# Altium PCB ALCT_MEZ_SPARTAN6T.PcbDoc (part 12 of 12)
Units mil, origin at the board's own origin, x right, y up, seen from the top; angles counter-clockwise.
Board outline 4100 x 5351.19 mil, 12 copper layers (Top Layer, Mid-Layer 1, +3V3, Mid-Layer 2, +1V2, Mid-Layer 4, +1V8, Mid-Layer 5, GND1, Mid-Layer 7, GND2, Bottom Layer), stack 64.7 mil thick; 320 components, 598 nets, 2316 pads, 1572 vias.
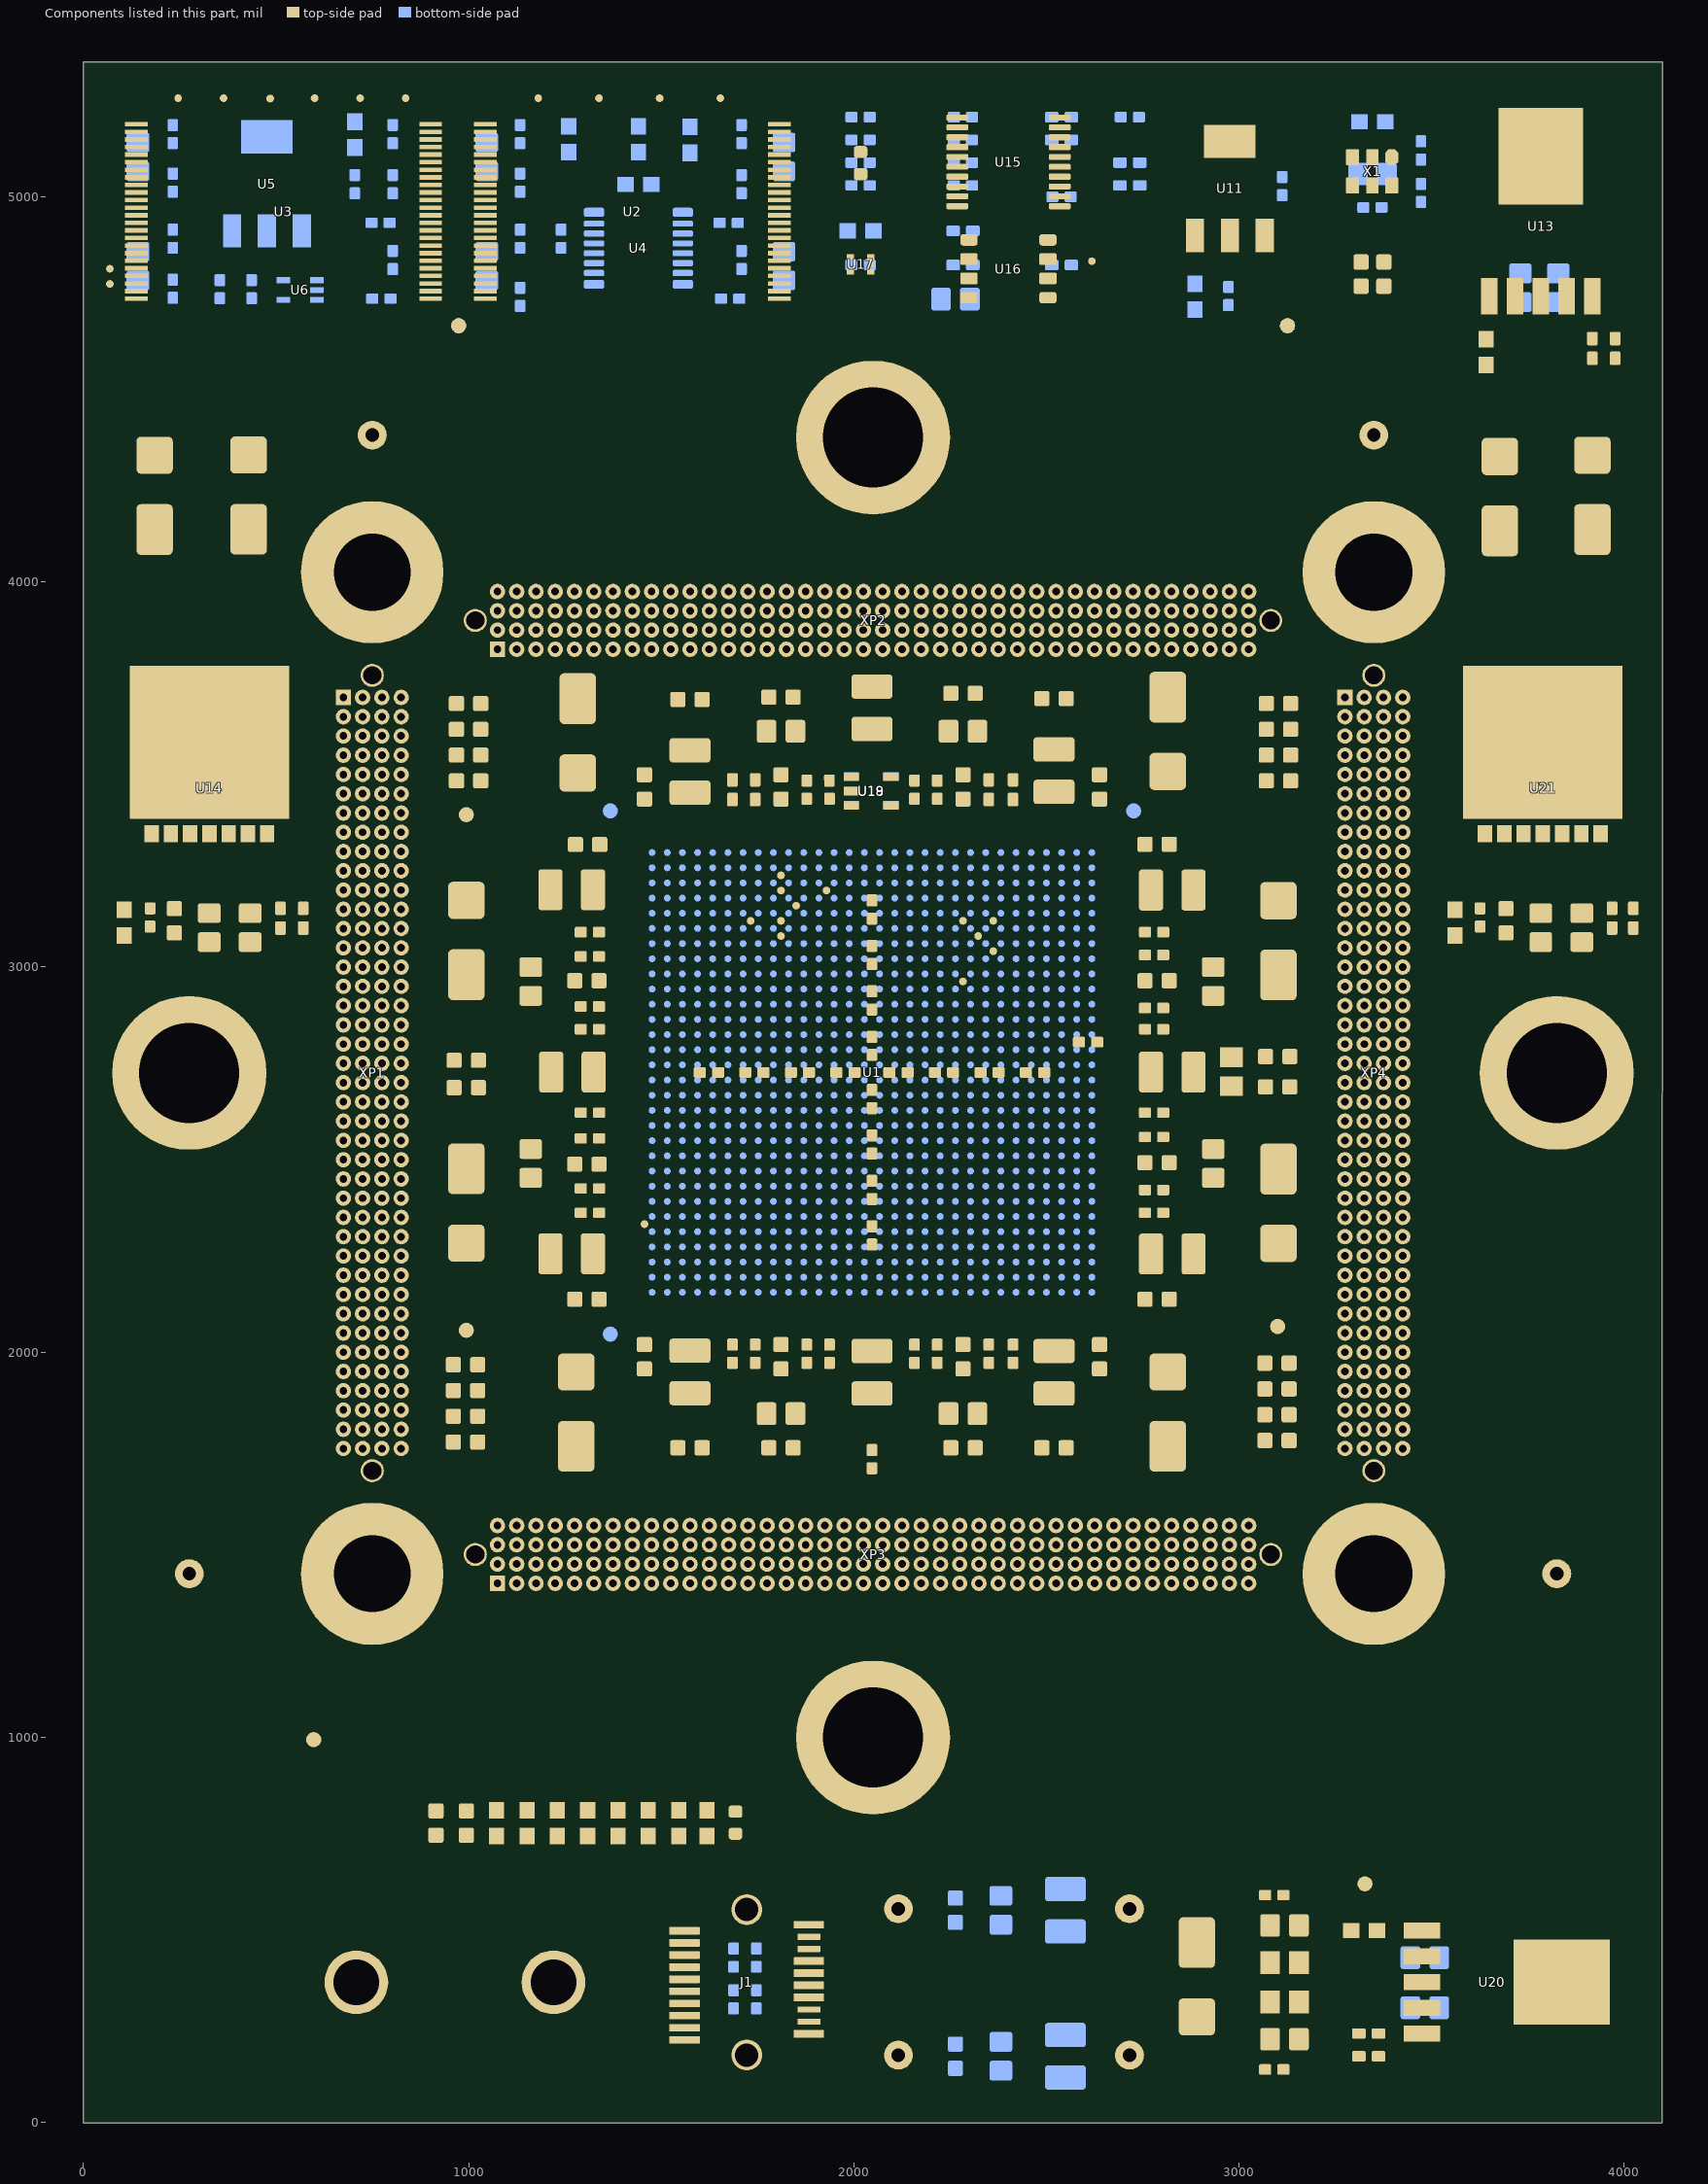
[diagram p22: the components of this part, seen from the top]

## Other copper
Top Layer:
  rectangle net GND: 1505.91,866.14 1584.65,895.67
  rectangle net NetD2_A: 1594.49,866.14 1712.6,895.67
  rectangle net +V_SFP: 3001.97,298.03 3045.28,439.76
  rectangle net GND: 3764.88,4782.17 3799.88,4980.32
  rectangle net +1.2V_MGT: 2657.48,2480.32 2696.85,3257.87
  rectangle net +1.8V: 3799.21,4527.56 3877.95,4663.39
  rectangle net +3.3V: 3681.1,4527.56 3769.69,4665.35
  rectangle net +3.3V: 3257.87,368.9 3395.67,457.48
  rectangle net +2.5V_SFP: 3257.87,265.75 3395.67,354.33
  rectangle net GND: 3513.78,344.49 3710.63,383.86
  rectangle net sfp_vcct2: 1786.42,344.49 1835.63,364.17
  rectangle net sfp_vcct: 1786.42,378.94 1835.63,398.62
  rectangle net GND: 1786.42,314.96 1835.63,334.65
  rectangle net GND: 1786.42,413.39 1835.63,433.07
  rectangle net +1.5V: 895.67,866.14 1496.06,895.67
  rectangle net +1.2V_MGT: 2539.37,2706.69 2677.17,2746.06
  rectangle net +1.2V_MGT: 2539.37,2559.06 2578.74,2746.06
  rectangle net +1.2V_MGT: 2539.38,2549.21 2578.74,2559.06
  rectangle net GND: 2971.65,5059.45 2983.07,5213.39
  rectangle net GND: 2882.68,5139.37 3088.19,5149.61
  rectangle net +VCORE: 3720.47,3188.98 3809.06,3307.09
  rectangle net +3.3V: 3612.2,3188.98 3710.63,3307.09
  rectangle net +VCORE: 255.91,3188.98 344.49,3307.09
  pour cut-out: 29.53,826.77 609.35,826.77 629.92,826.77 629.92,728.35 29.53,728.35
  pour cut-out: 1043.28,1712.6 1043.29,1368.11 3061.02,1368.11 3061.03,1712.6 3457.25,1712.6 3457.25,3730.31 3061.02,3730.31 3061.03,4005.91 1043.28,4005.9 1043.28,3730.32 846.43,3730.32 644.72,3730.31 644.72,1712.59
  pour cut-out: 1909.45,231.5 1972.05,231.5 1972.05,324.8 1909.45,324.8
  pour cut-out: 1909.45,420.47 1972.05,420.47 1972.05,514.96 1909.45,514.96
  pour cut-out: 866.14,915.35 866.14,659.45 1732.28,659.45 1732.28,915.35
  pour cut-out: 3281.5,148.43 3281.5,254.72 3391.73,254.72 3391.73,148.43
  pour cut-out: 3040.34,114.17 3142.7,114.17 3142.7,170.26 3149.61,177.17 3198.82,177.17 3198.82,553.15 3190.94,561.02 3148.61,561.02 3142.7,566.93 3142.7,614.17 3040.34,614.17
  pour cut-out: 915.35,5206.69 915.35,4714.57 1044.09,4714.57 1045.27,4715.75 1043.31,4717.72 1043.31,5206.69
  pour cut-out: -9657.15,-7979.82 -9656.3,-7980.38 -9655.73,-7981.23 -9655.54,-7982.23 -9655.54,-8127.9 -9655.73,-8128.9 -9656.3,-8129.74 -9657.15,-8130.31 -9658.14,-8130.51 -9705.39,-8130.51 -9706.39,-8130.31 -9707.23,-8129.74 -9707.8,-8128.9 -9708,-8127.9 -9708,-7986.16 -9708,-7982.23 -9707.8,-7981.23 -9707.23,-7980.38 -9706.39,-7979.82 -9705.39,-7979.62 -9658.14,-7979.62
  pour cut-out: -10146.58,-8950.97 -10146.51,-8951.13 -10146.51,-8960.18 -10146.58,-8960.33 -10146.73,-8960.39 -10155,-8960.39 -10155.15,-8960.33 -10155.21,-8960.18 -10155.21,-8951.13 -10155.15,-8950.97 -10155,-8950.91 -10146.73,-8950.91
  pour cut-out: -12353.27,-11194.68 -12353.21,-11194.83 -12353.21,-11203.88 -12353.27,-11204.03 -12353.42,-11204.09 -12361.69,-11204.09 -12361.84,-11204.03 -12361.9,-11203.88 -12361.9,-11194.83 -12361.84,-11194.68 -12361.69,-11194.61 -12353.42,-11194.61
  pour cut-out: -12352.88,-8769.08 -12352.81,-8769.24 -12352.81,-8778.29 -12352.88,-8778.44 -12353.03,-8778.5 -12361.29,-8778.5 -12361.45,-8778.44 -12361.51,-8778.29 -12361.51,-8769.24 -12361.45,-8769.08 -12361.29,-8769.02 -12353.03,-8769.02
  pour cut-out: -12746.58,-8951.37 -12746.51,-8951.52 -12746.51,-8960.57 -12746.58,-8960.72 -12746.73,-8960.79 -12755,-8960.79 -12755.15,-8960.72 -12755.21,-8960.57 -12755.21,-8951.52 -12755.15,-8951.37 -12755,-8951.31 -12746.73,-8951.31
  pour cut-out: -10780.04,-9273.42 -10779.98,-9273.57 -10779.98,-10533.41 -10780.04,-10533.56 -10780.19,-10533.62 -12040.03,-10533.62 -12040.19,-10533.56 -12040.25,-10533.41 -12040.25,-9273.57 -12040.19,-9273.42 -12040.03,-9273.35 -10780.19,-9273.35
  pour cut-out: -12424.86,-11853.83 -12424.02,-11854.4 -12423.45,-11855.24 -12423.25,-11856.24 -12423.25,-11911.36 -12423.45,-11912.36 -12424.02,-11913.21 -12424.86,-11913.77 -12425.86,-11913.97 -12992.79,-11913.97 -12993.79,-11913.77 -12994.64,-11913.21 -12995.2,-11912.36 -12995.4,-11911.36 -12995.4,-11907.42 -12995.4,-11856.24 -12995.2,-11855.24 -12994.64,-11854.4 -12993.79,-11853.83 -12992.79,-11853.63 -12425.86,-11853.63
  pour cut-out: 3262.99,4996.79 3262.99,4675.2 3435.13,4675.2 3433.07,5120.08 3416.54,5136.81 3263.78,5137.8 3261.81,5135.83
  pour cut-out: 3529.53,3048.24 3592.52,3048.24 3592.52,3077.58 3649.61,3077.58 3649.61,3062.99 3655.45,3057.15 3740.16,3057.15 3740.16,3023.62 3826.77,3023.62 3933.07,3023.62 3933.07,3071.36 3933.58,3071.87 4047.24,3071.87 4047.24,3182.1 3529.53,3182.1
  pour cut-out: 594.49,3182.1 594.49,3071.87 476.38,3071.87 476.38,3023.62 283.46,3023.62 283.46,3057.15 204.72,3057.15 204.72,3077.47 204.42,3077.77 137.98,3077.77 137.98,3048.43 137.8,3048.24 74.8,3048.24 74.8,3182.1
  pour cut-out: 4000,4661.42 4000,4551.18 3893.7,4551.18 3893.7,4524.82 3886.59,4517.72 3685.44,4517.72 3673.62,4529.53 3610.24,4529.53 3610.24,4663.39 3998.03,4663.39
  pour cut-out: 3614.17,4679.02 3956.69,4679.01 3956.69,4663.39 3948.82,4663.39 3614.17,4663.39
  pour cut-out: 3391.06,187.4 3391.06,529.92 3406.69,529.92 3406.69,522.05 3406.69,187.4
  text "1" at 4526.1,4609.21 h60
  text "TOP" at 4726.1,4609.21 h60
  text "COMPONENTS" at 5761.54,4609.21 h60
  text "1" at 49.21,757.87 h40
Mid-Layer 1:
  pour cut-out: 29.53,826.77 629.92,826.77 629.92,728.35 29.53,728.35
  pour cut-out: 1840.55,334.65 1840.55,226.38 1998.03,226.38 1998.03,334.65
  pour cut-out: 1840.55,521.65 1840.55,413.39 1998.03,413.39 1998.03,521.65
  pour cut-out: 3287.4,4857.28 3287.4,4744.09 3405.51,4744.09 3405.51,4857.28
  pour cut-out: 3267.72,5127.95 3267.72,5000 3420.28,5000 3420.28,5127.95
  text "VTTOP" at 1574.8,4517.72 h30
  text "2" at 4526.1,4509.28 h60
  text "IN1" at 4726.1,4509.28 h60
  text "ROUTING" at 5761.54,4509.28 h60
  text "VTBOT" at 1673.23,4173.23 h30
  text "GND" at 49.21,866.14 h60
  text "2" at 78.74,757.87 h40
Mid-Layer 2:
  rectangle net +1.8V: 3802.56,4517.72 3877.95,4714.57
  pour cut-out: 1038.37,1712.6 1038.38,1368.11 3056.09,1368.11 3056.09,1722.44 3454.72,1722.44 3454.72,3730.32 3056.11,3730.32 3056.12,4005.91 1038.37,4005.9 1038.37,3730.32 841.52,3730.32 649.61,3730.31 649.61,1712.6
  pour cut-out: 29.53,826.77 629.92,826.77 629.92,728.35 29.53,728.35
  pour cut-out: -10205.24,-8828.53 -10205.18,-8828.68 -10205.18,-11057.03 -10205.24,-11057.18 -10205.39,-11057.24 -12610.9,-11057.24 -12611.05,-11057.18 -12611.11,-11057.03 -12611.11,-8934.98 -12611.11,-8828.68 -12611.05,-8828.53 -12610.9,-8828.47 -10205.39,-8828.47
  pour cut-out: -12424.86,-11853.83 -12424.02,-11854.4 -12423.45,-11855.24 -12423.25,-11856.24 -12423.25,-11911.36 -12423.45,-11912.36 -12424.02,-11913.21 -12424.86,-11913.77 -12425.86,-11913.97 -12992.79,-11913.97 -12993.79,-11913.77 -12994.64,-11913.21 -12995.2,-11912.36 -12995.4,-11911.36 -12995.4,-11907.42 -12995.4,-11856.24 -12995.2,-11855.24 -12994.64,-11854.4 -12993.79,-11853.83 -12992.79,-11853.63 -12425.86,-11853.63
  pour cut-out: 1893.31,413.39 1893.31,216.54 2021.26,216.54 2021.26,413.39
  pour cut-out: 1893.31,541.34 1893.31,403.54 2021.26,403.54 2021.26,541.34
  text "+1.8V" at 2976.38,4671.26 h26.57
  text "4" at 4526.1,4309.43 h60
  text "IN2" at 4726.1,4309.43 h60
  text "ROUTING & +1.8V PROM" at 5761.54,4309.43 h60
  text "GND" at 49.21,866.14 h60
  text "4" at 177.17,757.87 h40
+1V2:
  pour cut-out: 29.53,826.77 609.35,826.77 629.92,826.77 629.92,728.35 29.53,728.35
  pour cut-out: 2460.63,2667.32 2462.09,2667.32 2500,2667.32 2500,2628.99 2498.96,2628.99 2460.63,2628.99
  text "5" at 4526.1,4209.5 h56.25
  text "PWR" at 4726.1,4209.5 h56.25
  text "+1.2VINT" at 5761.54,4209.5 h56.25
  text "+VCCINT" at 3897.64,1751.97 h26.57
  text "1V2" at 49.21,866.14 h60
  text "5" at 226.38,757.87 h40
Mid-Layer 4:
  pour cut-out: 29.53,826.77 609.35,826.77 629.92,826.77 629.92,728.35 29.53,728.35
  text "6" at 4533.98,4109.57 h60
  text "IN4" at 4733.98,4109.57 h60
  text "ROUTING" at 5769.41,4109.57 h60
  text "+VMGT" at 2785.43,3120.08 h26.57
  text "GND" at 49.21,866.14 h60
  text "6" at 275.59,757.87 h40
Mid-Layer 5:
  pour cut-out: 29.53,826.77 609.35,826.77 629.92,826.77 629.92,728.35 29.53,728.35
  text "8" at 4526.1,3909.71 h60
  text "IN5" at 4726.1,3909.71 h60
  text "ROUTING" at 5761.54,3909.71 h60
  text "GND" at 49.21,866.14 h60
  text "8" at 383.86,757.87 h40
+3V3:
  pour cut-out: 29.53,826.77 629.92,826.77 629.92,728.35 29.53,728.35
  text "3" at 4526.1,4409.35 h56.25
  text "PWR" at 4726.1,4409.35 h56.25
  text "+3.3V" at 5761.54,4409.35 h56.25
  text "3V3" at 49.21,866.14 h60
  text "3" at 128.74,757.87 h40
Mid-Layer 7:
  pour cut-out: 29.53,826.77 609.35,826.77 629.92,826.77 629.92,728.35 29.53,728.35
  text "2V5 SFP" at 2706.69,5275.59 h30
  text "1V2 MGT" at 2765.75,4950.79 h30
  text "10" at 4526.1,3709.86 h60
  text "IN7" at 4726.1,3709.86 h60
  text "ROUTING / MGT" at 5761.54,3709.86 h60
  text "A" at 482.28,757.87 h40
+1V8:
  pour cut-out: 29.53,826.77 609.35,826.77 629.92,826.77 629.92,728.35 29.53,728.35
  text "7" at 4530.04,4009.64 h56.25
  text "PWR" at 4730.04,4009.64 h56.25
  text "+1.8V VCORE" at 5765.47,4009.64 h56.25
  text "VCORE" at 49.21,866.14 h60
  text "7" at 334.65,757.87 h40
GND1:
  pour cut-out: 29.53,826.77 609.35,826.77 629.92,826.77 629.92,728.35 29.53,728.35
  text "9" at 4526.1,3809.78 h56.25
  text "GND" at 4726.1,3809.78 h56.25
  text "GND" at 5761.54,3809.78 h56.25
  text "9" at 433.07,757.87 h40
GND2:
  pour cut-out: 29.53,826.77 609.35,826.77 629.92,826.77 629.92,728.35 29.53,728.35
  text "11" at 4526.1,3609.93 h60
  text "GND" at 4726.1,3609.93 h60
  text "GND" at 5761.54,3609.93 h60
  text "B" at 531.5,757.87 h40
Bottom Layer:
  rectangle net +3.3V: 3691.8,4531.38 3769.69,4657.08
  rectangle net +1.8V: 3799.21,4531.38 3881.23,4657.08
  rectangle net +3.3V: 3267.72,374.02 3395.67,452.76
  rectangle net +2.5V_SFP: 3267.72,279.41 3391.85,354.33
  rectangle net sfp_vcct2: 1786.42,344.49 1835.63,364.17
  rectangle net sfp_vcct: 1786.42,378.94 1835.63,398.62
  rectangle net GND: 1786.42,413.39 1835.63,433.07
  rectangle net GND: 1786.42,314.96 1835.63,334.65
  rectangle net GND: 470.87,5089.37 481.5,5222.05
  rectangle net GND: 388.19,5144.88 563.78,5157.87
  pour cut-out: 3543.31,413.39 3543.31,324.8 3385.83,324.8 3385.83,413.39
  pour cut-out: 3720.47,4842.52 3720.47,4657.08 3838.58,4657.08 3838.58,4842.52
  pour cut-out: 29.53,826.77 609.35,826.77 629.92,826.77 629.92,728.35 29.53,728.35
  pour cut-out: 1053.15,1722.44 1053.15,1368.11 3070.87,1368.11 3070.87,1722.44 3467.12,1722.44 3467.12,3730.31 3070.89,3730.31 3070.89,4005.9 1053.15,4005.9 1053.15,3730.31 856.3,3730.32 654.58,3730.31 654.58,1722.44
  pour cut-out: -10205.24,-8828.53 -10205.18,-8828.68 -10205.18,-11057.03 -10205.24,-11057.18 -10205.39,-11057.24 -12610.9,-11057.24 -12611.05,-11057.18 -12611.11,-11057.03 -12611.11,-8934.98 -12611.11,-8828.68 -12611.05,-8828.53 -12610.9,-8828.47 -10205.39,-8828.47
  pour cut-out: -12424.86,-11853.83 -12424.02,-11854.4 -12423.45,-11855.24 -12423.25,-11856.24 -12423.25,-11911.36 -12423.45,-11912.36 -12424.02,-11913.21 -12424.86,-11913.77 -12425.86,-11913.97 -12992.79,-11913.97 -12993.79,-11913.77 -12994.64,-11913.21 -12995.2,-11912.36 -12995.4,-11911.36 -12995.4,-11907.42 -12995.4,-11856.24 -12995.2,-11855.24 -12994.64,-11854.4 -12993.79,-11853.83 -12992.79,-11853.63 -12425.86,-11853.63
  text "12" at 4526.1,3510 h60
  text "BOT" at 4726.1,3510 h60
  text "ROUTING / COMPONENTS" at 5761.54,3510 h60
  text "C" at 580.71,757.87 h40

## Silkscreen, mask and mechanical layers (free items; w line width, h text height)
Top Overlay:
  rectangle: 3208.66,714.57 4035.43,964.57
  text "3V3" at 216.54,5291.34 h23.62
  text "CORE" at 318.9,5291.34 h23.62
  text "2V5" at 452.76,5291.34 h23.62
  text "1V8" at 570.87,5291.34 h23.62
  text "1V2" at 688.98,5291.34 h23.62
  text "1V2O" at 799.21,5291.34 h23.62
  text "/PROG" at 1118.11,5291.34 h23.62
  text "/CCLK" at 1279.53,5291.34 h23.62
  text "INITB" at 1444.88,5291.34 h23.62
  text "DONE" at 1610.24,5291.34 h23.62
  text "DONE" at 1948.82,4960.63 h40
  text "SILK TOP" at 4527.56,2969.16 h60
  text "UCLA S6 / 06/25/2017" at 3208.66,964.57 h59.06
  text "LX150T / v1" at 3454.72,964.57 h59.06
Bottom Overlay:
  lines w5: 1604.33,4980.32 1604.33,4970.47 1614.17,4960.63
  lines w7.87: 1604.33,4980.32 1604.33,4970.47 1614.17,4960.63 ; 68.9,4271.65 68.9,4419.29 177.17,4419.29 177.17,4271.65 68.9,4271.65 ; 147.64,3179.13 452.76,3179.13 452.76,3316.93 147.64,3316.93 147.64,3179.13 ; 442.91,4271.65 442.91,4419.29 551.18,4419.29 551.18,4271.65 442.91,4271.65 ; 3553.15,4271.65 3553.15,4419.29 3661.42,4419.29 3661.42,4271.65 3553.15,4271.65 ; 3602.36,3179.13 3602.36,3316.93 3907.48,3316.93 3907.48,3179.13 3602.36,3179.13 ; 3661.42,4498.03 3661.42,4628.23 3907.48,4628.23 3907.48,4498.03 3661.42,4498.03 ; 3937.01,4271.65 4045.28,4271.65 4045.28,4419.29 3937.01,4419.29 3937.01,4271.65
  lines w10: 9.84,700 4084.65,700 ; 26.97,4628.23 4066.97,4628.23 ; 550,1623.82 950,1623.82 950,1273.82 3150,1273.82 3150,1623.82 3550,1623.82 3550,3823.82 3150,3823.82 3150,4098.82 950,4098.82 950,3823.82 550,3823.82 550,1623.82
  text "SILK BOTTOM" at 4527.56,2859.8 h60
Top Paste:
  text "PASTE TOP" at 4527.56,2750.44 h60
Bottom Paste:
  text "PASTE BOTTOM" at 4527.56,2641.08 h60
Top Solder:
  text "MASK TOP" at 4527.56,2531.71 h60
Bottom Solder:
  text "MASK BOTTOM" at 4527.56,2422.35 h60
Assembly Top:
  text "ASSEMBLY TOP" at 4527.56,3297.24 h60
Assembly Bottom:
  text "ASSEMBLY BOTTOM" at 4527.56,3187.88 h60
Board Outline:
  lines w7.87: 0,0 4100,0 4100,5350 0,5350 0,0
Drill Drawing:
  circle w10: c4617.91,1511.88 r33.33
  lines w10: 0,518.82 0,678.82 ; 4100,518.82 4100,678.82 ; 0,0 0,5350 4100,5350 4100,0 0,0 ; 4584.58,611.88 4617.91,578.54 4651.24,611.88 4617.91,645.21 4584.58,611.88 ; 4584.58,795.21 4651.24,795.21 4617.91,728.54 4584.58,795.21 ; 4584.58,878.54 4651.24,878.54 4651.24,945.21 4584.58,945.21 4584.58,878.54 ; 4584.58,1045.21 4601.24,1045.21 4601.24,1028.54 4634.58,1028.54 4634.58,1045.21 4651.24,1045.21 4651.24,1078.54 4634.58,1078.54 4634.58,1095.21 4601.24,1095.21 4601.24,1078.54 4584.58,1078.54 4584.58,1045.21 ; 4584.58,1178.54 4617.91,1195.21 4651.24,1178.54 4634.58,1211.88 4651.24,1245.21 4617.91,1228.54 4584.58,1245.21 4601.24,1211.88 4584.58,1178.54 ; 4584.58,1328.54 4651.24,1328.54 4651.24,1395.21 4584.58,1395.21 4584.58,1328.54 ; 4584.58,1628.54 4584.58,1645.21 4601.24,1661.88 4584.58,1678.54 4584.58,1695.21 4601.24,1695.21 4617.91,1678.54 4634.58,1695.21 4651.24,1695.21 4651.24,1678.54 4634.58,1661.88 4651.24,1645.21 4651.24,1628.54 4634.58,1628.54 4617.91,1645.21 4601.24,1628.54 4584.58,1628.54 ; 4584.58,1795.21 4601.24,1795.21 4617.91,1778.54 4634.58,1795.21 4651.24,1795.21 4634.58,1811.88 4651.24,1828.54 4634.58,1828.54 4617.91,1845.21 4601.24,1828.54 4584.58,1828.54 4601.24,1811.88 4584.58,1795.21 ; 4597.91,1341.88 4637.91,1341.88 4637.91,1381.88 4597.91,1381.88 4597.91,1341.88
  lines w15: 4524.79,533.54 10605.15,533.54 ; 4524.79,1883.54 10605.15,1883.54 ; 5075.66,383.54 5075.66,2033.54 ; 5735.48,383.54 5735.48,2033.54 ; 6895.14,383.54 6895.14,2033.54 ; 7401.02,383.54 7401.02,2033.54 ; 8134.82,383.54 8134.82,2033.54 ; 8724.67,383.54 8724.67,2033.54 ; 9470.47,383.54 9470.47,2033.54 ; 4524.79,383.54 10605.15,383.54 10605.15,2033.54 4524.79,2033.54 4524.79,383.54
  text "UCLA Physics MC_S6 LX150T" at 4525.94,5017.36 h75
  text "06/25/2017" at 4525.94,4867.36 h56.25
  text "Rev 1" at 5175.94,4867.36 h56.25
  text "Layer Stack-up" at 4527.56,4749.02 h56.25
  text "DRILL DRAWING" at 4527.56,2312.99 h60
  text "Symbol" at 4614.79,1928.54 h72
  text "Count" at 5120.66,1928.54 h72
  text "Hole Size" at 5780.48,1928.54 h72
  text "Plated" at 6940.14,1928.54 h72
  text "Hole Type" at 7446.02,1928.54 h72
  text "Via/Pad" at 8179.82,1928.54 h72
  text "Pad Shape" at 8769.67,1928.54 h72
  text "Template" at 9515.47,1928.54 h72
  text "2" at 5120.66,1778.54 h60
  text "1.550mm (61.02mil)" at 5780.48,1778.54 h60
  text "PTH" at 6940.14,1778.54 h60
  text "Round" at 7446.02,1778.54 h60
  text "Pad" at 8179.82,1778.54 h60
  text "Rounded" at 8769.67,1778.54 h60
  text "c203h155" at 9515.47,1778.54 h60
  text "SFP Socket Posts" at 10659.45,1776.57 h60
  text "2" at 5120.66,1628.54 h60
  text "3.000mm (118.11mil)" at 5780.48,1628.54 h60
  text "PTH" at 6940.14,1628.54 h60
  text "Round" at 7446.02,1628.54 h60
  text "Pad" at 8179.82,1628.54 h60
  text "Rounded" at 8769.67,1628.54 h60
  text "c420h300" at 9515.47,1628.54 h60
  text "VTTX Screw Holes" at 10659.45,1624.63 h60
  text "4" at 5120.66,1478.54 h60
  text "0.889mm (35.00mil)" at 5780.48,1478.54 h60
  text "PTH" at 6940.14,1478.54 h60
  text "Round" at 7446.02,1478.54 h60
  text "Pad" at 8179.82,1478.54 h60
  text "Rounded" at 8769.67,1478.54 h60
  text "c190h89(1)" at 9515.47,1478.54 h60
  text "Thru-Hole Inductor" at 10659.45,1472.69 h60
  text "4" at 5120.66,1328.54 h60
  text "0.889mm (35.00mil)" at 5780.48,1328.54 h60
  text "PTH" at 6940.14,1328.54 h60
  text "Round" at 7446.02,1328.54 h60
  text "Pad" at 8179.82,1328.54 h60
  text "Rounded" at 8769.67,1328.54 h60
  text "c190h89" at 9515.47,1328.54 h60
  text "TP GROUND" at 10659.45,1320.74 h60
  text "4" at 5120.66,1178.54 h60
  text "5.080mm (200.00mil)" at 5780.48,1178.54 h60
  text "PTH" at 6940.14,1178.54 h60
  text "Round" at 7446.02,1178.54 h60
  text "Pad" at 8179.82,1178.54 h60
  text "Rounded" at 8769.67,1178.54 h60
  text "c940h508z711x711" at 9515.47,1178.54 h60
  text "Stiffener Plate" at 10659.45,1168.8 h60
  text "4" at 5120.66,1028.54 h60
  text "6.604mm (260.00mil)" at 5780.48,1028.54 h60
  text "PTH" at 6940.14,1028.54 h60
  text "Round" at 7446.02,1028.54 h60
  text "Pad" at 8179.82,1028.54 h60
  text "Rounded" at 8769.67,1028.54 h60
  text "c1016h660z864x864" at 9515.47,1028.54 h60
  text "Baseboard Mounts" at 10659.45,1016.86 h60
  text "8" at 5120.66,878.54 h60
  text "1.194mm (47.00mil)" at 5780.48,878.54 h60
  text "PTH" at 6940.14,878.54 h60
  text "Round" at 7446.02,878.54 h60
  text "Pad" at 8179.82,878.54 h60
  text "Rounded" at 8769.67,878.54 h60
  text "c152h119" at 9515.47,878.54 h60
  text "Samtec Guide Posts" at 10659.45,864.91 h60
  text "650" at 5120.66,728.54 h60
  text "0.508mm (20.00mil)" at 5780.48,728.54 h60
  text "PTH" at 6940.14,728.54 h60
  text "Round" at 7446.02,728.54 h60
  text "(Mixed)" at 8179.82,728.54 h60
  text "(Mixed)" at 8769.67,728.54 h60
  text "(Mixed)" at 9515.47,728.54 h60
  text "Samtec Pins" at 10659.45,712.97 h60
  text "1562" at 5120.66,578.54 h60
  text "0.203mm (8.00mil)" at 5780.48,578.54 h60
  text "PTH" at 6940.14,578.54 h60
  text "Round" at 7446.02,578.54 h60
  text "Via" at 8179.82,578.54 h60
  text "Rounded" at 8769.67,578.54 h60
  text "v51h20m0mx0" at 9515.47,578.54 h60
  text "Standard Via" at 10659.45,561.02 h60
  text "2240 Total" at 5120.66,428.54 h60
  text "Board dimensions in mils" at 378.94,-369.09 h56.25

## Dimensions
0,-25 to 4100,-25 on Drill Drawing
-25,5350 to -25,0 on Drill Drawing
900,4025 to 750,3750 on Board Outline

## Text inside footprints (layer, text, board x,y; h text height)
CT01: Top Overlay "+" at 3681.1,4463.39 h37.5 r270; Assembly Top "+" at 3661.42,4416.14 h37.5 r270
CT02: Top Overlay "+" at 3921.26,4466.54 h37.5 r270; Assembly Top "+" at 3901.57,4419.29 h37.5 r270
CT03: Top Overlay "+" at 990.16,2145.67 h37.5 r90; Assembly Top "+" at 1009.84,2192.91 h37.5 r90
CT04: Top Overlay "+" at 2811.02,3370.08 h37.5 r90; Assembly Top "+" at 2830.71,3417.32 h37.5 r90
CT05: Top Overlay "+" at 998.03,3311.02 h37.5 r270; Assembly Top "+" at 978.35,3263.78 h37.5 r270
CT06: Top Overlay "+" at 3098.43,2144.88 h37.5 r90; Assembly Top "+" at 3118.11,2192.13 h37.5 r90
CT07: Top Overlay "+" at 2886.54,136.65 h37.5 r90; Assembly Top "+" at 2906.22,183.9 h37.5 r90
CT11: Top Overlay "+" at 188.98,4466.54 h37.5 r270; Assembly Top "+" at 169.29,4419.29 h37.5 r270
CT12: Top Overlay "+" at 433.07,4467.32 h37.5 r270; Assembly Top "+" at 413.39,4420.08 h37.5 r270
CT13: Top Overlay "+" at 2818.9,2086.61 h37.5 r270; Assembly Top "+" at 2799.21,2039.37 h37.5 r270
CT14: Top Overlay "+" at 1279.53,3366.14 h37.5 r90; Assembly Top "+" at 1299.21,3413.39 h37.5 r90
CT15: Top Overlay "+" at 1283.46,2086.61 h37.5 r270; Assembly Top "+" at 1263.78,2039.37 h37.5 r270
CT16: Top Overlay "+" at 3106.3,3310.24 h37.5 r270; Assembly Top "+" at 3086.61,3262.99 h37.5 r270
D1: Assembly Top "K" at 1997.72,5188.58 h37.5 r270; Assembly Top "A" at 1997.72,5013.58 h37.5 r270
D2: Assembly Top "A" at 1712.91,852.56 h37.5 r90; Assembly Top "K" at 1712.91,677.56 h37.5 r90
U1: Top Overlay "1" at 2665.35,2147.64 h21.65 r180; Top Overlay "2" at 2670.7,2183.07 h21.65 r180; Top Overlay "3" at 2670.7,2222.44 h21.65 r180; Top Overlay "7" at 2670.7,2379.92 h21.65 r180; Top Overlay "6" at 2669.66,2340.55 h21.65 r180; Top Overlay "5" at 2670.7,2301.18 h21.65 r180; Top Overlay "4" at 2671.73,2261.81 h21.65 r180; Top Overlay "10" at 2686.57,2498.03 h21.65 r180; Top Overlay "11" at 2677.29,2537.4 h21.65 r180; Top Overlay "12" at 2686.57,2576.77 h21.65 r180; Top Overlay "13" at 2686.57,2616.14 h21.65 r180; Top Overlay "9" at 2669.66,2458.66 h21.65 r180; Top Overlay "8" at 2670.7,2419.29 h21.65 r180; Top Overlay "15" at 2686.57,2694.88 h21.65 r180; Top Overlay "16" at 2685.54,2777.56 h21.65 r180; Top Overlay "17" at 2686.57,2816.65 h21.65 r180; Top Overlay "14" at 2687.6,2655.51 h21.65 r180; Top Overlay "21" at 2680.7,2973 h21.65 r180; Top Overlay "22" at 2689.97,3012.09 h21.65 r180; Top Overlay "23" at 2689.97,3051.18 h21.65 r180; Top Overlay "24" at 2691,3090.27 h21.65 r180; Top Overlay "20" at 2689.97,2933.91 h21.65 r180; Top Overlay "19" at 2685.54,2894.83 h21.65 r180; Top Overlay "18" at 2686.57,2855.74 h21.65 r180; Top Overlay "25" at 2689.97,3129.36 h21.65 r180; Top Overlay "30" at 2689.97,3324.8 h21.65 r180; Top Overlay "29" at 2688.94,3285.71 h21.65 r180; Top Overlay "28" at 2689.97,3246.62 h21.65 r180; Top Overlay "27" at 2689.97,3207.54 h21.65 r180; Top Overlay "26" at 2688.94,3168.45 h21.65 r180; Top Overlay "AF" at 1602.36,2116.14 h21.65 r270; Top Overlay "AG" at 1562.99,2116.14 h21.65 r270; Top Overlay "AH" at 1523.62,2116.14 h21.65 r270; Top Overlay "AJ" at 1484.25,2116.14 h21.65 r270; Top Overlay "AK" at 1444.88,2116.14 h21.65 r270; Top Overlay "AE" at 1641.73,2116.14 h21.65 r270; Top Overlay "V" at 1917.32,2116.14 h21.65 r270; Top Overlay "W" at 1877.95,2116.14 h21.65 r270; Top Overlay "Y" at 1838.58,2116.14 h21.65 r270; Top Overlay "AD" at 1681.1,2116.14 h21.65 r270; Top Overlay "AC" at 1720.47,2116.14 h21.65 r270; Top Overlay "AB" at 1759.84,2116.14 h21.65 r270; Top Overlay "AA" at 1799.21,2116.14 h21.65 r270; Top Overlay "P" at 2114.17,2116.14 h21.65 r270; Top Overlay "U" at 1956.69,2116.14 h21.65 r270; Top Overlay "T" at 1996.06,2116.14 h21.65 r270; Top Overlay "R" at 2074.8,2116.14 h21.65 r270; Top Overlay "H" at 2350.39,2116.14 h21.65 r270; Top Overlay "J" at 2311.02,2116.14 h21.65 r270; Top Overlay "N" at 2153.54,2116.14 h21.65 r270; Top Overlay "M" at 2192.91,2116.14 h21.65 r270; Top Overlay "L" at 2232.28,2116.14 h21.65 r270; Top Overlay "K" at 2271.65,2116.14 h21.65 r270; Top Overlay "D" at 2507.87,2116.14 h21.65 r270; Top Overlay "E" at 2468.5,2116.14 h21.65 r270; Top Overlay "F" at 2429.13,2116.14 h21.65 r270; Top Overlay "G" at 2389.76,2116.14 h21.65 r270; Top Overlay "C" at 2547.24,2116.14 h21.65 r270; Top Overlay "B" at 2586.61,2116.14 h21.65 r270; Top Overlay "A" at 2625.98,2116.14 h21.65 r270; Top Overlay "A" at 2645.67,3336.61 h21.65 r90; Top Overlay "B" at 2606.58,3336.61 h21.65 r90; Top Overlay "C" at 2567.49,3336.61 h21.65 r90; Top Overlay "G" at 2411.14,3336.61 h21.65 r90; Top Overlay "F" at 2450.22,3336.61 h21.65 r90; Top Overlay "E" at 2489.31,3336.61 h21.65 r90; Top Overlay "D" at 2528.4,3336.61 h21.65 r90; Top Overlay "K" at 2293.87,3336.61 h21.65 r90; Top Overlay "L" at 2254.78,3336.61 h21.65 r90; Top Overlay "M" at 2215.69,3336.61 h21.65 r90; Top Overlay "N" at 2176.6,3336.61 h21.65 r90; Top Overlay "J" at 2332.96,3336.61 h21.65 r90; Top Overlay "H" at 2372.05,3336.61 h21.65 r90; Top Overlay "R" at 2098.43,3336.61 h21.65 r90; Top Overlay "T" at 2019.68,3336.61 h21.65 r90; Top Overlay "U" at 1980.03,3336.61 h21.65 r90; Top Overlay "P" at 2137.51,3336.61 h21.65 r90; Top Overlay "AA" at 1821.43,3336.61 h21.65 r90; Top Overlay "AB" at 1781.78,3336.61 h21.65 r90; Top Overlay "AC" at 1742.13,3336.61 h21.65 r90; Top Overlay "AD" at 1702.48,3336.61 h21.65 r90; Top Overlay "Y" at 1861.08,3336.61 h21.65 r90; Top Overlay "W" at 1900.73,3336.61 h21.65 r90; Top Overlay "V" at 1940.38,3336.61 h21.65 r90; Top Overlay "AE" at 1662.82,3336.61 h21.65 r90; Top Overlay "AK" at 1464.57,3336.61 h21.65 r90; Top Overlay "AJ" at 1504.22,3336.61 h21.65 r90; Top Overlay "AH" at 1543.87,3336.61 h21.65 r90; Top Overlay "AG" at 1583.52,3336.61 h21.65 r90; Top Overlay "AF" at 1623.17,3336.61 h21.65 r90; Top Overlay "26" at 1403.64,3147.64 h21.65; Top Overlay "27" at 1402.61,3187.01 h21.65; Top Overlay "28" at 1402.61,3226.38 h21.65; Top Overlay "29" at 1403.64,3265.75 h21.65; Top Overlay "30" at 1402.61,3305.12 h21.65; Top Overlay "25" at 1402.61,3108.27 h21.65; Top Overlay "18" at 1406.01,2832.68 h21.65; Top Overlay "19" at 1407.04,2872.05 h21.65; Top Overlay "20" at 1402.61,2911.42 h21.65; Top Overlay "24" at 1401.57,3068.9 h21.65; Top Overlay "23" at 1402.61,3029.53 h21.65; Top Overlay "22" at 1402.61,2990.16 h21.65; Top Overlay "21" at 1411.88,2950.79 h21.65; Top Overlay "14" at 1404.98,2635.83 h21.65; Top Overlay "17" at 1406.01,2793.31 h21.65; Top Overlay "16" at 1407.04,2753.94 h21.65; Top Overlay "15" at 1406.01,2675.2 h21.65; Top Overlay "8" at 1421.88,2399.61 h21.65; Top Overlay "9" at 1422.91,2438.98 h21.65; Top Overlay "13" at 1406.01,2596.46 h21.65; Top Overlay "12" at 1406.01,2557.09 h21.65; Top Overlay "11" at 1415.29,2517.72 h21.65; Top Overlay "10" at 1406.01,2478.35 h21.65; Top Overlay "4" at 1420.85,2242.13 h21.65; Top Overlay "5" at 1421.88,2281.5 h21.65; Top Overlay "6" at 1422.91,2320.87 h21.65; Top Overlay "7" at 1421.88,2360.24 h21.65; Top Overlay "3" at 1421.88,2202.76 h21.65; Top Overlay "2" at 1421.88,2163.39 h21.65; Top Overlay "1" at 1425.2,2124.02 h21.65
XP1: Bottom Overlay "D1" at 853.22,3780.51 h37.5; Bottom Overlay "A1" at 705.58,3780.51 h37.5; Top Overlay "A1" at 644.55,3780.51 h37.5; Top Overlay "D1" at 790.22,3780.51 h37.5; Assembly Bottom "D1" at 848.22,3795.51 h37.5; Assembly Bottom "A1" at 700.58,3795.51 h37.5
XP2: Bottom Overlay "A1" at 994.49,3855.58 h37.5 r90; Bottom Overlay "D1" at 994.49,4003.21 h37.5 r90; Top Overlay "D1" at 994.49,3940.22 h37.5 r90; Top Overlay "A1" at 994.49,3794.55 h37.5 r90; Assembly Bottom "A1" at 979.49,3850.58 h37.5 r90; Assembly Bottom "D1" at 979.49,3998.21 h37.5 r90
XP3: Bottom Overlay "D1" at 994.49,1578.21 h37.5 r90; Bottom Overlay "A1" at 994.49,1430.58 h37.5 r90; Top Overlay "A1" at 994.49,1369.55 h37.5 r90; Top Overlay "D1" at 994.49,1515.22 h37.5 r90; Assembly Bottom "D1" at 979.49,1573.21 h37.5 r90; Assembly Bottom "A1" at 979.49,1425.58 h37.5 r90
XP4: Bottom Overlay "A1" at 3305.58,3780.51 h37.5; Bottom Overlay "D1" at 3453.22,3780.51 h37.5; Top Overlay "D1" at 3390.22,3780.51 h37.5; Top Overlay "A1" at 3244.55,3780.51 h37.5; Assembly Bottom "A1" at 3300.58,3795.51 h37.5; Assembly Bottom "D1" at 3448.22,3795.51 h37.5